# KiCad board BarnacleBoard.kicad_pcb (continued)
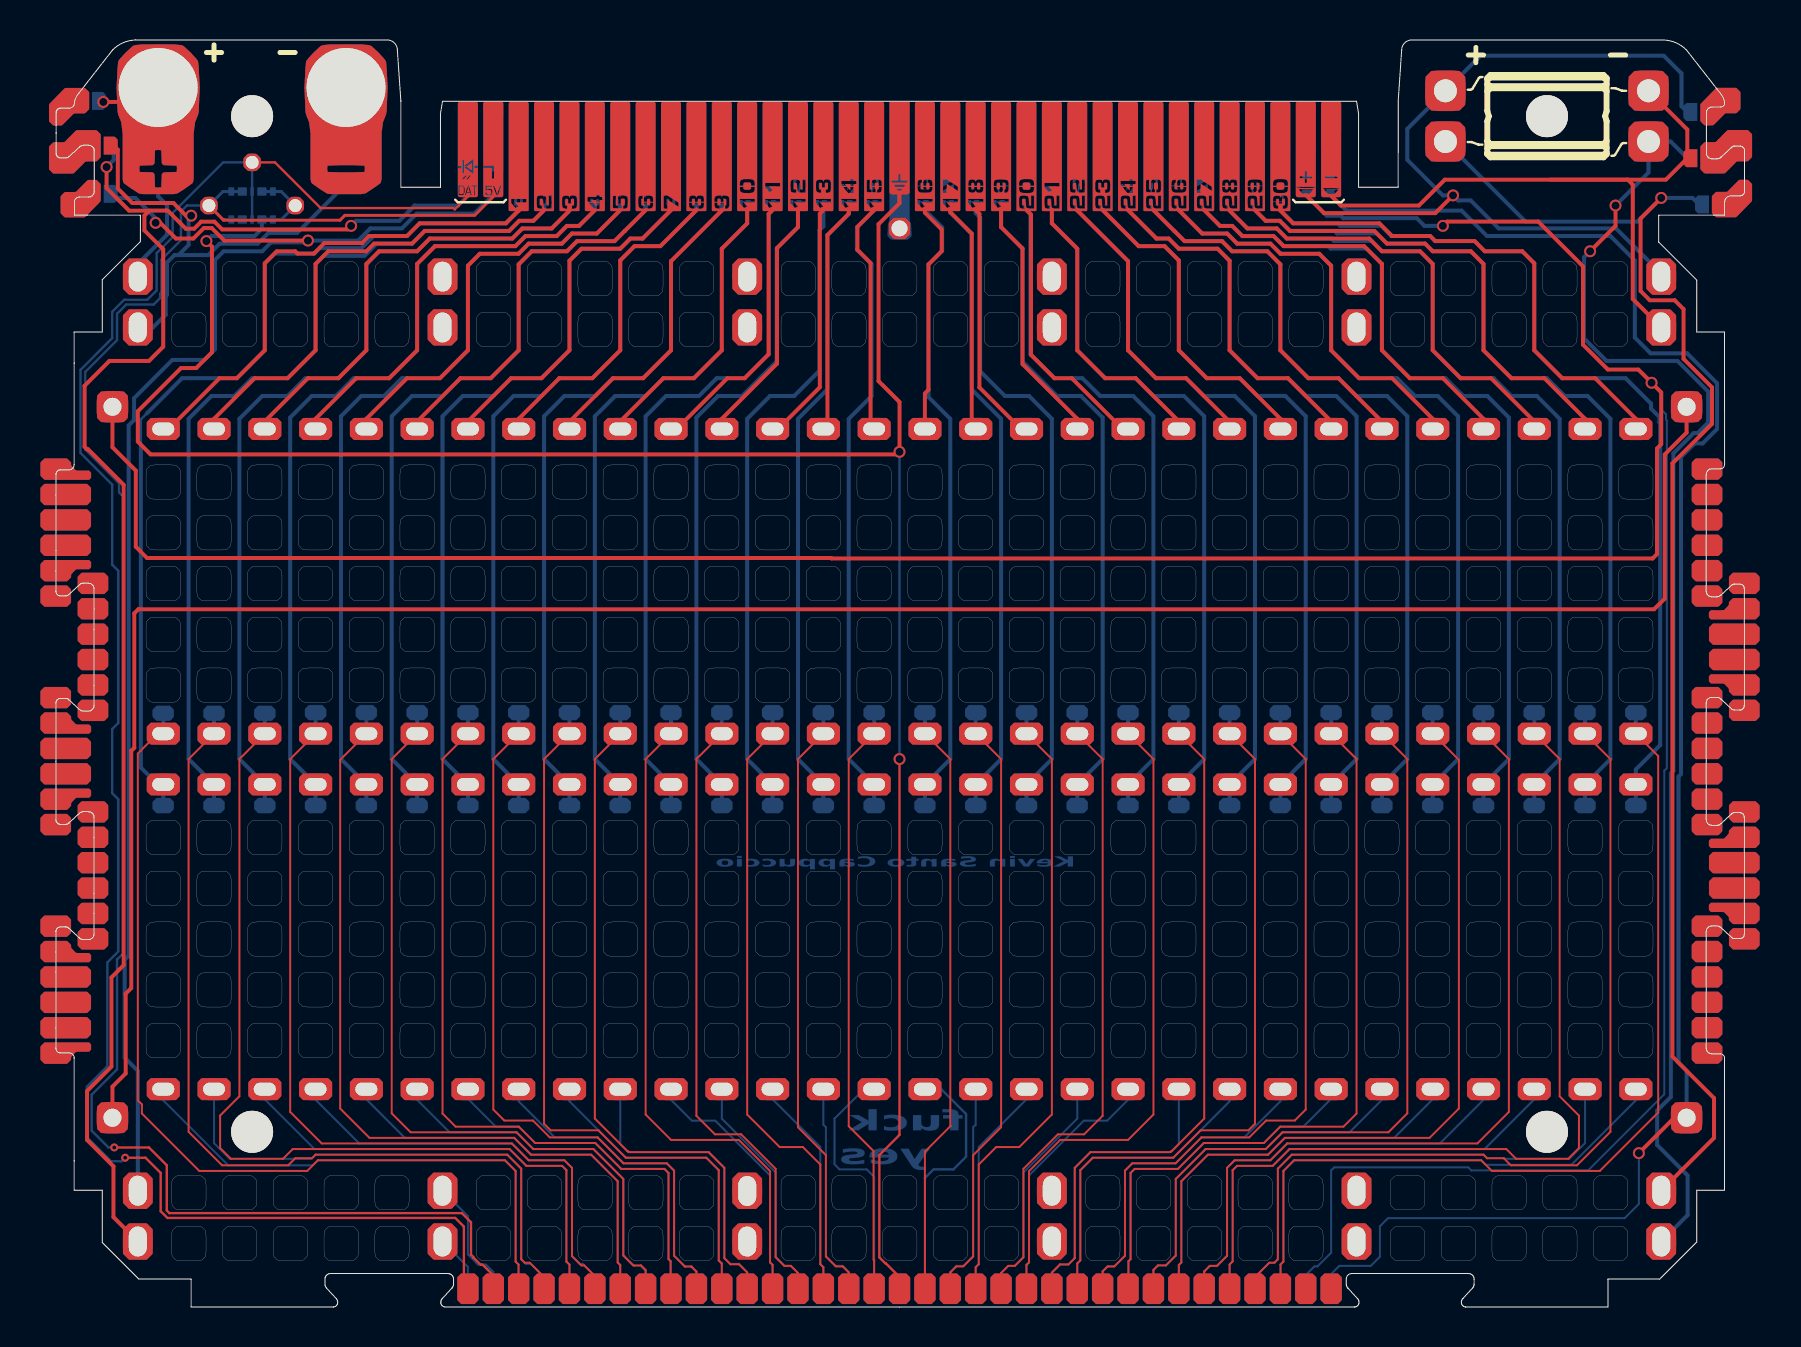
[diagram p0: board, top side]
## Footprints (pads in the part's own frame, mm; a bottom-side part is the same pattern mirrored in y, then rotated) (continued)
  custom 0.965x0.965 smd: 6(-0.897,29.451) 6(-0.897,28.181) 6(-0.897,26.911) 6(-0.897,25.641) 6(-0.897,24.371) 6(-0.897,23.101) 6(-0.897,18.021) 6(-0.897,16.751) 6(-0.897,15.481) 6(-0.897,14.211) 6(-0.897,12.941) 6(-0.897,11.671) 6(-0.897,6.591) 6(-0.897,5.321) 6(-0.897,4.051) 6(-0.897,2.781) 6(-0.897,1.511) 6(-0.897,0.241) 6(0.965,23.736) 6(0.965,22.466) 6(0.965,21.196) 6(0.965,19.926) 6(0.965,18.656) 6(0.965,17.386) 6(0.965,12.306) 6(0.965,11.036) 6(0.965,9.766) 6(0.965,8.496) 6(0.965,7.226) 6(0.965,5.956)
SolderJumper_2_Open_Small
  custom 0.7x0.9 smd: 1(-0.7,0) 2(0.7,0)

## Nets
GND: J1.68 J6.68 J14.4 J14.5 TP19.1
1: J1.1 J6.1 J11.1
2: J1.2 J6.2 J11.2
3: J1.3 J6.3 J11.3
4: J1.4 J6.4 J11.4
5: J1.5 J6.5 J11.5
6: J1.6 J6.6 J11.6
7: J1.7 J6.7 J11.7
8: J1.8 J6.8 J11.8
9: J1.9 J6.9 J11.9
10: J1.10 J6.10 J11.10
11: J1.11 J6.11 J11.11
12: J1.12 J6.12 J11.12
13: J1.13 J6.13 J11.13
14: J1.14 J6.14 J11.14
15: J1.15 J6.15 J11.15
16: J1.16 J6.16 J11.16
17: J1.17 J6.17 J11.17
18: J1.18 J6.18 J11.18
19: J1.19 J6.19 J11.19
20: J1.20 J6.20 J11.20
21: J1.21 J6.21 J11.21
22: J1.22 J6.22 J11.22
23: J1.23 J6.23 J11.23
24: J1.24 J6.24 J11.24
25: J1.25 J6.25 J11.25
26: J1.26 J6.26 J11.26
27: J1.27 J6.27 J11.27
28: J1.28 J6.28 J11.28
29: J1.29 J6.29 J11.29
30: J1.30 J6.30 J11.30
31: J1.31 J6.31 J11.31
32: J1.32 J6.32 J11.32
33: J1.33 J6.33 J11.33
34: J1.34 J6.34 J11.34
35: J1.35 J6.35 J11.35
36: J1.36 J6.36 J11.36
37: J1.37 J6.37 J11.37
38: J1.38 J6.38 J11.38
39: J1.39 J6.39 J11.39
40: J1.40 J6.40 J11.40
41: J1.41 J6.41 J11.41
42: J1.42 J6.42 J11.42
43: J1.43 J6.43 J11.43
44: J1.44 J6.44 J11.44
45: J1.45 J6.45 J11.45
46: J1.46 J6.46 J11.46
47: J1.47 J6.47 J11.47
48: J1.48 J6.48 J11.48
49: J1.49 J6.49 J11.49
50: J1.50 J6.50 J11.50
51: J1.51 J6.51 J11.51
52: J1.52 J6.52 J11.52
53: J1.53 J6.53 J11.53
54: J1.54 J6.54 J11.54
55: J1.55 J6.55 J11.55
56: J1.56 J6.56 J11.56
57: J1.57 J6.57 J11.57
58: J1.58 J6.58 J11.58
59: J1.59 J6.59 J11.59
60: J1.60 J6.60 J11.60
BOT_RAIL_NEG: J1.64 J6.64 J11.64 JP4.2 JP8.2 TP31.1
BOT_RAIL_POS: J1.63 J6.63 J11.63 JP5.2 JP9.2 TP29.1
LED_5V: J1.70 J6.70 J14.3 J14.6 TP18.1
LED_DAT: J1.69 J6.69 J14.1 J14.2 TP16.1
PASS: J1.65 J6.65 J15.1
SENSE_BOTTOM: J1.67 J4.1 J6.67
SENSE_TOP: J1.66 J2.1 J6.66
TOP_RAIL_NEG: J1.62 J6.62 J11.62 JP6.1 JP10.1 TP26.1 TP27.1
TOP_RAIL_POS: J1.61 J6.61 J11.61 JP3.2 JP7.2 TP24.1 TP25.1
Net-(J3-Pin_1): J3.1 J5.1
Net-(J12-Pin_1): J12.1 J12.4 JP7.1
Net-(J12-Pin_2): J12.2 JP10.2
Net-(J12-Pin_3): J12.3 J12.6 JP9.1
Net-(J12-Pin_5): J12.5 JP8.1
Net-(J13-Pin_1): J13.1 J13.4 JP3.1
Net-(J13-Pin_2): J13.2 JP6.2
Net-(J13-Pin_3): J13.3 J13.6 JP5.1
Net-(J13-Pin_5): J13.5 JP4.1

Pads without a net: REF**#7 6; REF**#8 6

## Via types
v1: diameter 0.6, hole 0.4, Top to Bottom, 16 vias
v2: diameter 0.4, hole 0.2, Top to Bottom, 2 vias

## Routing (per net, layer and track width the routed paths; a pad name or vN(x,y) marks a point on that pad's centre or on a via; arc(x,y) is an arc through that point)
GND: length 114.8
  Top w0.12: J6.68 42.2,1.5 41.52,2.17 41.5,2.17 41.19,2.48 41.19,7.6 42.2,8.61 v1(42.2,27.41) ; v1(42.2,42.77) 42.2,43.05
  Top w0.2: v1(7.53,53.31) 7.81,53.04 7.81,47.75 7.02,46.96 6.26,46.96 4.1,44.81 4.1,43.28 4.73,42.65 42.07,42.65 v1(42.2,42.77) 42.2,45.26 41.15,46.31 41.15,54.16 42.2,55.21 J1.68
  Bottom w0.12: v1(42.2,27.41) v1(42.2,42.77)
  Bottom w0.15: J14.5 11.27,54.39 TP19.1 11.27,55.79 J14.4
  Bottom w0.2: J14.5 J14.4 10.3,53.93 9.94,53.57 7.78,53.57 v1(7.53,53.31)
1: length 71
  Top w0.1: J6.1 23.14,0.9 23.14,2.13 22.99,2.27 22.99,6.8 22.46,7.34 13.1,7.34 12.57,6.81 11.73,6.81 8.2,6.81 8.2,6.81 7.17,6.81 4.3,9.68 4.3,10.13 4.1,10.34 4.1,27.68 5.09,28.68 5.37,28.68
  Top w0.2: 23.15,54.86 23.15,54.84 22.51,54.2 18.19,54.2 17.56,53.57 15.65,53.57 15.3,53.21 13.42,53.21 12.9,52.69 12.08,52.69 11.97,52.81 11.05,52.81 10.45,52.2 10.45,47.85 9.05,46.46 8.18,46.46 5.64,43.92 5.37,43.92
2: length 68.8
  Top w0.1: 7.91,28.68 6.64,27.41 6.64,8.76 8.31,7.09 11.62,7.09 11.97,7.44 12.81,7.44 12.99,7.62 22.57,7.62 23.27,6.92 23.27,2.39 23.45,2.22 23.7,2.22 24.42,1.5 J6.2
  Top w0.2: 7.91,43.92 7.91,44.42 9.94,46.46 11.59,46.46 12.99,47.85 12.99,52.17 13.62,52.81 15.53,52.81 15.91,53.19 17.81,53.19 18.45,53.82 22.67,53.82 23.17,54.33 23.88,54.33 J1.2
3: length 68.4
  Top w0.1: J6.3 25.69,2.13 25.53,2.28 25.53,6.84 25.32,7.06 23.53,7.06 22.69,7.9 11.85,7.9 11.36,7.41 8.75,7.41 8.21,7.95 8.21,9.58 9.18,10.54 9.18,27.41 J11.3
  Top w0.2: J11.3 10.45,44.3 12.61,46.46 14.13,46.46 15.53,47.85 15.53,52.17 16.16,52.81 18.07,52.81 18.7,53.44 22.83,53.44 23.33,53.95 24.8,53.95 25.69,54.84
4: length 62.7
  Top w0.1: J11.4 11.72,27.41 11.72,9.76 13.29,8.18 22.81,8.18 23.65,7.34 25.43,7.34 25.81,6.96 25.81,2.55 26.28,2.08 26.42,2.08 26.96,1.55 J6.4
  Top w0.2: J1.4 26.17,54.07 25.56,54.07 25.05,53.57 23.49,53.57 22.98,53.06 18.96,53.06 18.07,52.17 18.07,47.85 16.67,46.46 15.02,46.46 12.99,44.42 J11.4
5: length 60.1
  Top w0.1: J11.5 14.22,27.37 14.22,9.93 15.68,8.46 22.92,8.46 23.76,7.62 26.77,7.62 28.1,6.29 28.1,2.22 28.23,2.1 J6.5
  Top w0.2: J1.5 27.06,53.69 25.81,53.69 25.31,53.19 23.64,53.19 23.14,52.68 21.2,52.68 20.61,52.08 20.61,47.85 19.21,46.46 17.56,46.46 15.53,44.42 J11.5
6: length 57.4
  Top w0.1: 18.07,28.68 16.8,27.41 16.8,9.69 17.74,8.74 23.04,8.74 23.88,7.9 26.89,7.9 28.38,6.41 28.38,2.57 28.87,2.08 29.27,2.08 29.5,1.85 J6.6
  Top w0.2: J1.6 28.45,53.82 28.45,53.82 27.94,53.31 26.07,53.31 25.56,52.81 23.8,52.81 23.15,52.15 23.15,47.85 21.75,46.46 20.24,46.46 18.07,44.29 18.07,43.92
7: length 55.5
  Top w0.1: J11.7 19.34,27.41 19.34,9.68 19.99,9.02 23.15,9.02 23.97,8.2 26.98,8.2 28.27,6.91 30.44,6.91 30.64,6.71 30.64,2.4 30.75,2.29 30.75,0.91 J6.7
  Top w0.2: J1.7 29.34,53.44 28.73,53.44 28.23,52.93 26.29,52.93 25.69,52.33 25.69,47.85 24.29,46.46 22.77,46.46 20.61,44.3 J11.7
8: length 52.6
  Top w0.1: J11.8 21.88,27.41 21.88,9.88 22.43,9.33 23.86,9.33 24.7,8.48 27.09,8.48 28.39,7.19 30.55,7.19 30.92,6.82 30.92,2.56 31.45,2.03 31.78,2.03 32.04,1.78 J6.8
  Top w0.2: J11.8 23.15,44.42 25.18,46.46 26.83,46.46 28.23,47.85 28.23,52.35 28.94,53.06 30.23,53.06 J1.8
9: length 50.7
  Top w0.1: J6.9 33.31,2.18 33.15,2.33 33.15,6.84 32.53,7.47 28.51,7.47 27.14,8.84 24.75,8.84 24.42,9.17 24.42,27.41 25.69,28.68
  Top w0.2: 25.69,43.92 25.69,44.28 27.86,46.46 29.37,46.46 30.77,47.85 30.77,52.31 33.31,54.85 33.31,54.86
10: length 48.5
  Top w0.1: J11.10 26.96,27.41 26.96,9.42 28.58,7.8 28.6,7.8 28.65,7.75 32.65,7.75 33.43,6.96 33.43,2.44 33.75,2.13 34.17,2.13 34.58,1.73 J6.10
  Top w0.2: J11.10 28.23,44.3 30.39,46.46 31.91,46.46 33.31,47.85 33.31,52.93 34.58,54.2 J1.10
11: length 46.7
  Top w0.1: J11.11 29.5,27.41 29.5,9.63 30.77,8.36 34.16,8.36 35.72,6.8 35.72,2.23 35.85,2.11 J6.11
  Top w0.2: 35.85,54.86 35.64,54.66 35.64,47.65 34.45,46.46 33.58,46.46 31.04,43.92 J11.11
12: length 43.9
  Top w0.1: 33.31,28.68 32.04,27.41 32.04,9.56 32.96,8.64 34.28,8.64 36,6.91 36,2.49 36.43,2.06 36.76,2.06 37.12,1.7 J6.12
  Top w0.2: 33.31,43.92 33.31,44.42 36.07,47.19 36.07,52.97 37.12,54.01 J1.12
13: length 42.7
  Top w0.1: 35.85,28.68 34.58,27.41 34.58,9.63 36.2,8 37.36,8 38.23,7.13 38.23,2.14 38.39,1.99 J6.13
  Top w0.2: 35.85,43.92 36.12,43.92 38.21,46 38.21,54.69 J1.13
14: length 41
  Top w0.1: J11.14 37.12,27.41 37.12,8.99 38.51,7.59 38.51,2.53 39.01,2.03 39.35,2.03 39.66,1.73 J6.14
  Top w0.2: J11.14 38.59,44.12 38.59,53.62 39.66,54.69 J1.14
15: length 40.5
  Top w0.1: J11.15 39.66,27.41 39.66,9.04 40.9,7.8 40.9,2.36 40.93,2.34 J6.15
  Top w0.2: J1.15 40.09,54.03 40.09,52.88 40.75,52.22 40.75,44.09 J11.15
16: length 40.5
  Top w0.1: J11.16 44.74,27.41 44.74,9.04 43.47,7.77 J6.16
  Top w0.2: 43.47,43.92 43.47,45.69 43.64,45.87 43.64,52.15 44.31,52.81 44.31,53.9 43.47,54.74 43.47,54.86
17: length 41
  Top w0.1: 46.01,28.68 47.28,27.41 47.28,8.99 45.88,7.59 45.88,2.53 45.38,2.03 45.04,2.03 44.74,1.73 J6.17
  Top w0.2: J11.17 45.81,44.11 45.81,53.69 44.74,54.76 J1.17
18: length 42.7
  Top w0.1: 46.01,0.89 46.01,1.99 46.16,2.14 46.16,7.13 47.03,8 48.19,8 49.82,9.63 49.82,27.41 48.55,28.68
  Top w0.2: J11.18 48.27,43.92 46.19,45.99 46.19,54.68 J1.18
19: length 43.9
  Top w0.1: 51.09,28.68 52.36,27.41 52.36,9.56 51.43,8.64 50.12,8.64 48.39,6.91 48.39,2.49 47.96,2.06 47.63,2.06 47.28,1.7 J6.19
  Top w0.2: J1.19 47.28,54.01 48.35,52.94 48.35,47.16 51.09,44.42 J11.19
20: length 46.7
  Top w0.1: J11.20 54.9,27.41 54.9,9.63 53.63,8.36 50.24,8.36 48.67,6.8 48.67,2.23 48.55,2.11 J6.20
  Top w0.2: J1.20 48.77,54.64 48.77,47.63 49.94,46.46 50.81,46.46 53.35,43.92 53.63,43.92
21: length 48.5
  Top w0.1: 56.17,28.68 57.44,27.41 57.44,9.42 55.81,7.8 55.79,7.8 55.74,7.75 51.75,7.75 50.96,6.96 50.96,2.44 50.65,2.13 50.22,2.13 49.82,1.73 J6.21
  Top w0.2: J1.21 49.82,54.2 51.09,52.93 51.09,47.85 52.48,46.46 54.01,46.46 56.17,44.3 J11.21
22: length 50.7
  Top w0.1: 51.09,0.89 51.09,2.18 51.24,2.33 51.24,6.84 51.86,7.47 55.89,7.47 57.26,8.84 59.65,8.84 59.98,9.17 59.98,27.41 58.71,28.68
  Top w0.2: 51.09,54.86 51.09,54.85 53.63,52.31 53.63,47.85 55.02,46.46 56.53,46.46 58.71,44.28 J11.22
23: length 52.6
  Top w0.1: J11.23 62.52,27.41 62.52,9.88 61.97,9.33 60.53,9.33 59.69,8.48 57.3,8.48 56,7.19 53.84,7.19 53.47,6.82 53.47,2.56 52.94,2.03 52.61,2.03 52.36,1.78 J6.23
  Top w0.2: J1.23 54.16,53.06 55.45,53.06 56.17,52.35 56.17,47.85 57.56,46.46 59.22,46.46 61.25,44.42 61.25,43.92
24: length 55.5
  Top w0.1: 53.63,0.89 53.65,0.91 53.65,2.29 53.75,2.4 53.75,6.71 53.96,6.91 56.12,6.91 57.42,8.2 60.42,8.2 61.24,9.02 64.4,9.02 65.06,9.68 65.06,27.41 J11.24
  Top w0.2: 63.79,43.92 63.79,44.3 61.63,46.46 60.1,46.46 58.71,47.85 58.71,52.33 58.1,52.93 56.17,52.93 55.66,53.44 55.05,53.44 53.63,54.86
25: length 57.4
  Top w0.1: J6.25 54.9,1.85 55.13,2.08 55.52,2.08 56.01,2.57 56.01,6.41 57.51,7.9 60.52,7.9 61.36,8.74 66.65,8.74 67.6,9.69 67.6,27.41 66.33,28.68
  Top w0.2: J1.25 55.94,53.82 55.94,53.82 56.45,53.31 58.33,53.31 58.83,52.81 60.59,52.81 61.25,52.15 61.25,47.85 62.64,46.46 64.16,46.46 66.33,44.29 J11.25
26: length 60.1
  Top w0.1: 56.17,0.89 56.17,2.1 56.29,2.22 56.29,6.29 57.62,7.62 60.63,7.62 61.47,8.46 68.71,8.46 70.18,9.93 70.18,27.37 J11.26
  Top w0.2: J1.26 57.34,53.69 58.58,53.69 59.09,53.19 60.75,53.19 61.26,52.68 63.19,52.68 63.79,52.08 63.79,47.85 65.18,46.46 66.84,46.46 68.87,44.42 68.87,43.92
27: length 62.8
  Top w0.1: J6.27 57.44,1.78 57.72,2.06 58.08,2.06 58.58,2.56 58.58,6.96 58.96,7.34 60.75,7.34 61.59,8.18 71.1,8.18 72.68,9.76 72.68,27.41 J11.27
  Top w0.2: 71.41,43.92 71.41,44.42 69.38,46.46 67.72,46.46 66.33,47.85 66.33,52.17 65.44,53.06 61.41,53.06 60.91,53.57 59.34,53.57 58.84,54.07 58.23,54.07 J1.27
28: length 68.4
  Top w0.1: 73.95,28.68 75.22,27.41 75.22,10.54 76.18,9.58 76.18,7.95 75.64,7.41 73.04,7.41 72.55,7.9 61.7,7.9 60.86,7.06 59.08,7.06 58.86,6.84 58.86,2.28 58.71,2.13 J6.28
  Top w0.2: 58.71,54.84 59.6,53.95 61.06,53.95 61.57,53.44 65.69,53.44 66.33,52.81 68.23,52.81 68.87,52.17 68.87,47.85 70.26,46.46 71.79,46.46 73.95,44.3 J11.28
29: length 68.8
  Top w0.1: 76.49,28.68 77.76,27.41 77.76,8.76 76.08,7.09 72.78,7.09 72.42,7.44 71.59,7.44 71.41,7.62 61.82,7.62 61.12,6.92 61.12,2.39 60.95,2.22 60.69,2.22 59.98,1.5 J6.29
  Top w0.2: J1.29 60.51,54.33 61.22,54.33 61.73,53.82 65.95,53.82 66.58,53.19 68.49,53.19 68.87,52.81 70.77,52.81 71.41,52.17 71.41,47.85 72.8,46.46 74.46,46.46 76.49,44.42 J11.29
30: length 71
  Top w0.1: J6.30 61.26,0.9 61.26,2.13 61.4,2.27 61.4,6.8 61.94,7.34 71.29,7.34 71.82,6.81 72.66,6.81 76.2,6.81 76.2,6.81 77.22,6.81 80.14,9.73 80.14,27.56 79.03,28.68
  Top w0.2: 61.25,54.86 61.25,54.84 61.88,54.2 66.2,54.2 66.84,53.57 68.74,53.57 68.99,53.31 70.96,53.31 71.47,52.81 73.34,52.81 73.95,52.2 73.95,47.85 75.34,46.46 77,46.46 79.03,44.42 J11.30
31: length 71.5
  Bottom w0.1: 5.37,10.9 5.37,10.34 8.62,7.09 12.85,7.09 13.1,7.34 22.46,7.34 22.99,6.8 22.99,2.27 23.14,2.13 23.14,0.9 J6.31
  Bottom w0.12: 4.25,44.4 4.54,44.69 ; 4.25,44.4 4.25,43.15 4.25,44.4
  Bottom w0.2: 4.25,43.15 4.25,26.98 5.09,26.14 ; J1.31 22.49,54.2 18.19,54.2 17.56,53.57 15.89,53.57 15.28,52.96 13.2,52.96 12.93,52.69 10.93,52.69 10.45,52.2 10.45,47.85 9.05,46.46 6.31,46.46 4.54,44.69
32: length 68.9
  Bottom w0.1: 7.91,10.9 7.91,8.19 8.69,7.41 12.78,7.41 12.99,7.62 22.57,7.62 23.27,6.92 23.27,2.39 23.5,2.16 23.76,2.16 24.42,1.5 J6.32
  Bottom w0.2: 7.91,26.14 6.64,27.41 6.64,44.42 7.78,45.57 8.92,45.57 9.81,46.46 11.59,46.46 12.99,47.85 12.99,52.17 13.4,52.58 15.44,52.58 16.04,53.19 17.81,53.19 18.45,53.82 22.67,53.82 23.17,54.33 23.88,54.33 J1.32
33: length 65.2
  Bottom w0.1: J11.33 10.45,10.39 12.94,7.9 22.69,7.9 23.53,7.06 25.32,7.06 25.53,6.84 25.53,2.26 25.69,2.11 J6.33
  Bottom w0.2: J11.33 9.18,27.41 9.18,44.42 10.32,45.57 11.59,45.57 12.48,46.46 14.13,46.46 15.53,47.85 15.53,52.13 16.2,52.81 18.07,52.81 18.7,53.44 22.83,53.44 23.33,53.95 24.8,53.95 25.69,54.84
34: length 62.3
  Bottom w0.1: J6.34 26.96,1.55 26.35,2.16 26.2,2.16 25.81,2.54 25.81,6.96 25.43,7.34 23.65,7.34 22.81,8.18 15.17,8.18 12.99,10.36 J11.34
  Bottom w0.2: J11.34 11.72,27.41 11.72,44.49 12.8,45.57 14,45.57 14.89,46.46 16.67,46.46 18.07,47.85 18.07,52.17 18.96,53.06 22.98,53.06 23.49,53.57 25.05,53.57 25.56,54.07 26.17,54.07 J1.34
35: length 59.9
  Bottom w0.1: J6.35 28.23,2.11 28.1,2.24 28.1,6.29 26.77,7.62 23.76,7.62 22.92,8.46 17.46,8.46 15.53,10.39 J11.35
  Bottom w0.2: J11.35 14.26,27.41 14.26,44.55 15.27,45.57 16.42,45.57 17.31,46.46 19.21,46.46 20.61,47.85 20.61,52.08 21.2,52.68 23.14,52.68 23.64,53.19 25.31,53.19 25.81,53.69 27.06,53.69 J1.35
36: length 57.1
  Bottom w0.1: 18.07,10.9 18.07,10.36 19.69,8.74 23.04,8.74 23.88,7.9 26.89,7.9 28.38,6.41 28.38,2.61 28.93,2.06 29.24,2.06 29.5,1.8 J6.36
  Bottom w0.2: 18.07,26.14 16.8,27.41 16.8,44.55 17.81,45.57 19.35,45.57 20.24,46.46 21.75,46.46 23.15,47.85 23.15,52.15 23.8,52.81 25.56,52.81 26.07,53.31 27.94,53.31 28.45,53.82 28.45,53.82 J1.36
37: length 55.2
  Bottom w0.1: J6.37 30.75,0.91 30.75,2.28 30.64,2.39 30.64,6.71 30.44,6.91 28.27,6.91 26.98,8.2 23.97,8.2 23.15,9.02 22,9.02 20.61,10.41 J11.37
  Bottom w0.2: J1.37 29.34,53.44 28.73,53.44 28.23,52.93 26.29,52.93 25.69,52.33 25.69,47.85 24.29,46.46 22.77,46.46 21.88,45.57 20.35,45.57 19.34,44.55 19.34,27.41 J11.37
38: length 52.4
  Bottom w0.1: J6.38 32.04,1.75 31.78,2.01 31.47,2.01 30.92,2.56 30.92,6.82 30.55,7.19 28.39,7.19 27.09,8.48 24.95,8.48 23.15,10.29 J11.38
  Bottom w0.2: J11.38 21.88,27.41 21.88,44.55 22.89,45.57 24.29,45.57 25.18,46.46 26.83,46.46 28.23,47.85 28.23,52.35 28.94,53.06 30.23,53.06 J1.38
39: length 50.2
  Bottom w0.1: 25.69,10.9 25.69,10.29 28.51,7.47 32.53,7.47 33.15,6.84 33.15,2.33 33.31,2.18 J6.39
  Bottom w0.2: 25.69,26.14 24.42,27.41 24.42,44.55 25.43,45.57 26.97,45.57 27.86,46.46 29.37,46.46 30.77,47.85 30.77,52.31 33.31,54.85 33.31,54.86
40: length 49.4
  Bottom w0.1: J6.40 34.58,1.75 34.17,2.16 33.72,2.16 33.43,2.44 33.43,6.96 32.65,7.75 28.63,7.75 28.23,8.15 J11.40
  Bottom w0.2: J1.40 34.58,54.2 33.31,52.93 33.31,47.85 31.91,46.46 30.39,46.46 29.5,45.57 27.97,45.57 26.96,44.55 26.96,27.41 J11.40
41: length 46.5
  Bottom w0.1: J6.41 35.85,2.11 35.72,2.24 35.72,6.58 32.98,9.32 31.81,9.32 30.77,10.36 J11.41
  Bottom w0.2: J11.41 29.5,27.41 29.5,44.55 30.51,45.57 32.16,45.57 33.05,46.46 34.45,46.46 35.67,47.68 35.67,54.69 35.85,54.86
42: length 43.8
  Bottom w0.1: J6.42 37.12,1.7 36.76,2.06 36.46,2.06 36,2.51 36,6.73 33.31,9.42 33.31,10.9
  Bottom w0.2: 33.31,26.14 32.04,27.41 32.04,44.49 33.12,45.57 34.32,45.57 36.05,47.29 36.05,52.95 37.12,54.01 J1.42
43: length 42.6
  Bottom w0.1: J6.43 38.39,1.99 38.23,2.14 38.23,8 35.85,10.39 35.85,10.9
  Bottom w0.2: 35.85,26.14 34.58,27.41 34.58,44.42 35.72,45.57 36.93,45.57 38.19,46.83 38.19,53.85 38.39,54.05 J1.43
44: length 41
  Bottom w0.1: J6.44 39.66,1.75 39.35,2.06 39,2.06 38.51,2.54 38.51,8.99 38.39,9.12 J11.44
  Bottom w0.2: J11.44 37.12,27.41 37.12,44.42 38.59,45.9 38.59,53.59 39.66,54.66 J1.44
45: length 43.1
  Bottom w0.1: J11.45 40.42,10.9 38.95,9.42 38.95,7.14 39.2,6.88 40.55,6.88 40.93,6.51 J6.45
  Bottom w0.2: J1.45 40.06,54 40.06,52.88 40.8,52.15 40.8,45.57 39.66,44.42 39.66,27.41 J11.45
46: length 43.1
  Bottom w0.1: J6.46 43.47,6.45
  Bottom w0.12: 43.47,6.45 43.9,6.88 44.89,6.88 45.52,7.52 45.52,9.65 44.28,10.9 43.47,10.9
  Bottom w0.2: 43.47,54.86 44.33,54 44.33,52.83 43.64,52.15 43.64,45.52 44.74,44.42 44.74,27.41 43.47,26.14
47: length 41
  Bottom w0.1: 46.01,10.9 46.01,9.12 45.88,8.99 45.88,2.54 45.4,2.06 45.04,2.06 44.74,1.75 J6.47
  Bottom w0.2: J1.47 44.74,54.74 45.81,53.66 45.81,45.89 47.28,44.42 47.28,27.41 J11.47
48: length 42.6
  Bottom w0.1: 48.55,10.9 48.55,10.39 46.16,8 46.16,2.14 46.01,1.99 J6.48
  Bottom w0.2: J11.48 49.82,27.41 49.82,44.42 48.67,45.57 47.47,45.57 46.23,46.81 46.23,54.49 46.01,54.71 J1.48
49: length 43.8
  Bottom w0.1: 51.09,10.9 51.09,9.42 48.39,6.73 48.39,2.49 47.96,2.06 47.64,2.06 47.28,1.7 J6.49
  Bottom w0.2: J1.49 47.28,54.01 48.35,52.94 48.35,47.29 50.07,45.57 51.28,45.57 52.36,44.49 52.36,27.41 J11.49
50: length 46.5
  Bottom w0.1: J6.50 48.55,0.89 48.55,2.11 48.67,2.24 48.67,6.58 51.42,9.32 52.59,9.32 53.63,10.36 J11.50
  Bottom w0.2: 53.63,26.14 54.9,27.41 54.9,44.55 53.88,45.57 52.23,45.57 51.34,46.46 49.94,46.46 48.74,47.66 48.74,54.67 J1.50
51: length 49.4
  Bottom w0.1: 56.17,10.9 56.17,8.15 55.76,7.75 51.75,7.75 50.96,6.96 50.96,2.44 50.62,2.11 50.22,2.11 49.82,1.7 J6.51
  Bottom w0.2: J11.51 57.44,27.41 57.44,44.55 56.42,45.57 54.9,45.57 54.01,46.46 52.48,46.46 51.09,47.85 51.09,52.93 49.82,54.2 J1.51
52: length 50.2
  Bottom w0.1: 58.71,10.9 58.71,10.29 55.89,7.47 51.86,7.47 51.24,6.84 51.24,2.33 51.09,2.18 J6.52
  Bottom w0.2: J1.52 51.09,54.85 53.63,52.31 53.63,47.85 55.02,46.46 56.53,46.46 57.42,45.57 58.96,45.57 59.98,44.55 59.98,27.41 J11.52
53: length 52.4
  Bottom w0.1: J11.53 61.25,10.29 59.44,8.48 57.3,8.48 56,7.19 53.84,7.19 53.47,6.82 53.47,2.56 52.94,2.03 52.59,2.03 52.36,1.79 J6.53
  Bottom w0.2: 61.25,26.14 62.52,27.41 62.52,44.55 61.5,45.57 60.1,45.57 59.22,46.46 57.56,46.46 56.17,47.85 56.17,52.35 55.45,53.06 54.16,53.06 J1.53
54: length 55.2
  Bottom w0.1: J6.54 53.65,0.91 53.65,2.28 53.75,2.39 53.75,6.71 53.96,6.91 56.12,6.91 57.42,8.2 60.42,8.2 61.24,9.02 62.39,9.02 63.79,10.41 J11.54
  Bottom w0.2: 53.63,54.86 55.05,53.44 55.66,53.44 56.17,52.93 58.1,52.93 58.71,52.33 58.71,47.85 60.1,46.46 61.63,46.46 62.52,45.57 64.04,45.57 65.06,44.55 65.06,27.41 63.79,26.14
55: length 57.1
  Bottom w0.1: 66.33,10.9 66.33,10.36 64.7,8.74 61.36,8.74 60.52,7.9 57.51,7.9 56.01,6.41 56.01,2.56 55.53,2.08 55.13,2.08 54.9,1.85 J6.55
  Bottom w0.2: J1.55 55.94,53.82 55.94,53.82 56.45,53.31 58.33,53.31 58.83,52.81 60.59,52.81 61.25,52.15 61.25,47.85 62.64,46.46 64.16,46.46 65.05,45.57 66.58,45.57 67.6,44.55 67.6,27.41 J11.55
56: length 59.9
  Bottom w0.1: J6.56 56.17,2.11 56.29,2.24 56.29,6.29 57.62,7.62 60.63,7.62 61.47,8.46 66.94,8.46 68.87,10.39 J11.56
  Bottom w0.2: 68.87,26.14 70.14,27.41 70.14,44.55 69.12,45.57 67.98,45.57 67.09,46.46 65.18,46.46 63.79,47.85 63.79,52.08 63.19,52.68 61.26,52.68 60.75,53.19 59.09,53.19 58.58,53.69 57.34,53.69 J1.56
57: length 62.5
  Bottom w0.1: J11.57 71.41,10.36 69.22,8.18 61.59,8.18 60.75,7.34 58.96,7.34 58.58,6.96 58.58,2.57 58.07,2.06 57.72,2.06 57.44,1.78 J6.57
  Bottom w0.2: 71.41,26.14 72.68,27.41 72.68,44.49 71.6,45.57 70.39,45.57 69.5,46.46 67.72,46.46 66.33,47.85 66.33,52.17 65.56,52.94 63.76,52.94 63.64,53.06 61.41,53.06 60.91,53.57 59.34,53.57 58.84,54.07 58.23,54.07 J1.57
58: length 65.2
  Bottom w0.1: J6.58 58.71,0.89 58.71,2.13 58.86,2.29 58.86,6.84 59.08,7.06 60.86,7.06 61.7,7.9 71.46,7.9 73.95,10.39 73.95,10.9
  Bottom w0.2: J11.58 75.22,27.41 75.22,44.42 74.07,45.57 72.8,45.57 71.92,46.46 70.26,46.46 68.87,47.85 68.87,52.17 68.23,52.81 66.33,52.81 65.82,53.32 63.92,53.32 63.8,53.44 61.57,53.44 61.06,53.95 59.6,53.95 58.71,54.84
59: length 68.9
  Bottom w0.1: 76.49,10.9 76.49,8.19 75.71,7.41 72.45,7.41 72.42,7.44 71.59,7.44 71.41,7.62 61.82,7.62 61.12,6.92 61.12,2.39 60.94,2.21 60.69,2.21 59.98,1.5 J6.59
  Bottom w0.2: J11.59 77.76,27.41 77.76,44.42 76.61,45.57 75.47,45.57 74.58,46.46 72.8,46.46 71.41,47.85 71.41,52.17 70.77,52.81 68.87,52.81 68.49,53.19 66.58,53.19 66.07,53.7 64.08,53.7 63.95,53.82 61.73,53.82 61.22,54.33 60.51,54.33 J1.59
60: length 70.7
  Bottom w0.1: J6.60 61.26,0.9 61.26,2.13 61.4,2.27 61.4,6.8 61.94,7.34 71.29,7.34 71.52,7.11 75.8,7.11 79.03,10.34 79.03,10.9
  Bottom w0.2: J11.60 79.03,26.89 80.25,28.1 80.25,42.94 80.25,42.94 80.25,44.21 80.21,44.25 80.21,44.51 79.79,44.93 79.79,45.19 78.52,46.46 75.34,46.46 73.95,47.85 73.95,52.2 73.34,52.81 71.47,52.81 70.96,53.31 68.99,53.31 68.74,53.57 66.79,53.57 66.28,54.08 64.24,54.08 64.11,54.2 61.91,54.2 61.25,54.86
BOT_RAIL_NEG: length 148.1
  Top w0.2: v1(76.74,52.81) 78.01,54.08 v1(78.01,55.09) ; 4.61,54.84 3.66,54.84 2.53,55.96 v1(2.53,57.02) ; v1(14.77,54.08) 14.59,53.9 8.32,53.9 7.93,54.29 7.27,54.29 6.91,53.93 6.49,53.93 5.59,54.84 4.68,54.84 4.43,54.59 4.43,53.85 5.37,52.91 5.37,48.03 4.66,47.32 2.67,47.32 1.43,46.08 1.43,43.03 1.56,42.9 1.61,42.9 3.39,41.12 3.39,17.1 2.78,16.48 2.78,12.02 1.56,10.8 1.56,8.36 2.88,7.04 2.88,4.5 J11.64
  Bottom w0.1: J6.64 20.61,2.01 J11.64
  Bottom w0.2: v1(76.74,52.81) 76.44,52.5 76.44,48.45 77.56,47.32 81.11,47.32 82.65,45.78 82.65,44.24 82.13,43.71 81.92,43.71 80.91,42.7 80.91,26.81 80.78,26.69 80.78,10.51 80.09,9.82 80.09,8.1 81.62,6.58 81.62,4.6 J11.64 ; v1(78.01,55.09) 79.66,56.74 TP31.1 80.77,58.29 JP8.2 ; v1(2.53,57.02) 2.89,57.38 JP4.2 ; v1(14.77,54.08) 15.02,54.33 17.18,54.33 17.94,55.09 20.12,55.09 J1.64
BOT_RAIL_POS: length 152.5
  Top w0.2: J11.63 82.94,8.46 82.94,10.45 80.86,12.53 80.86,42.19 82.84,44.17 82.84,46 81.41,47.42 81.41,49.91 80.97,50.36 79.73,50.36 79.27,50.82 79.27,54.44 v1(80.3,55.47) ; v1(4.99,54.23) 5.21,54.23 6,53.44 6.87,53.44 7.4,53.96 7.8,53.96 8.42,53.34 v1(12.61,53.34) ; 4.1,5.97 J11.63
  Bottom w0.1: J11.63 20.61,4.55 20.61,2.63 21.12,2.12 21.51,2.12 21.88,1.75 J6.63
  Bottom w0.2: v1(4.99,54.23) 4.99,54.46 3.97,55.47 3.1,55.47 JP5.2 ; J11.63 4.1,11.81 3.44,12.47 3.44,17.36 3.64,17.57 3.64,44.09 3.91,44.36 3.91,45.45 5.82,47.37 7.42,47.37 7.96,47.9 7.96,52.37 8.39,52.81 10.32,52.81 10.76,53.25 12.51,53.25 v1(12.61,53.34) 15.12,53.34 15.73,53.95 17.31,53.95 18.04,54.69 20.93,54.69 J1.63 ; TP29.1 73.51,54.29 79.11,54.29 v1(80.3,55.47) 81.86,55.47 82.19,55.15
LED_5V: length 96.8
  Top w0.12: J6.70 21.88,1.58 21.34,2.12 21.24,2.12 20.87,2.48 20.87,2.51 20.76,2.62 20.76,4.24 20.31,4.7 5.68,4.7 5.54,4.83 5.54,7.09 4.65,7.98 v2(2.92,7.98)
  Top w0.15: TP18.1 8.39,54.36 14.21,54.36 14.45,54.6 20.94,54.6 J1.70
  Bottom w0.12: TP18.1 7.65,55.1 6.55,55.1 6.25,54.8 6.25,53.36 5.28,52.39 5.28,50.75 5.21,50.68 5.21,50.47 4.88,50.14 3.51,50.14 3.06,49.68 3.06,48.36 1.47,46.77 1.47,42.89 3.16,41.2 3.16,40.74 3.36,40.54 3.36,17.68 3.06,17.38 3.06,11.89 1.79,10.62 1.79,8.82 2.62,7.98 v2(2.92,7.98)
  Bottom w0.15: J14.3 8.35,55.79 TP18.1 8.35,54.39 J14.3
LED_DAT: length 95.6
  Top w0.12: J6.69 20.4,1.09 20.4,4.03 19.97,4.46 5.58,4.46 5.24,4.79 5.24,6.71 4.48,7.47 v2(3.46,7.47) ; 20.63,55.58 19.95,54.9 19.88,54.97 13.24,54.97 10.96,57.25 TP16.1
  Bottom w0.12: v2(3.46,7.47) 3.29,7.29 2.75,7.29 1.55,8.49 1.55,11.01 2.57,12.04 2.57,17.24 3.12,17.78 3.12,25.39 2.82,25.7 2.82,28.91 3.12,29.21 3.12,36.82 2.82,37.13 2.82,41.13 1.23,42.72 1.23,46.87 2.82,48.46 2.82,49.78 3.41,50.38 4.57,50.38 5.04,50.85 5.04,52.72 5.84,53.52 5.84,54.72 8.37,57.25 TP16.1 J14.1 J14.2
SENSE_BOTTOM: length 87.5
  Top w0.2: v1(79.18,7.7) 80.95,9.47 J4.1
  Bottom w0.1: v1(79.18,7.7) 79.18,5.16 78.47,4.45 66.63,4.45 66.23,4.04 66.23,2.51 65.77,2.06 64.19,2.06 63.79,1.65 J6.67
  Bottom w0.2: J4.1 81.57,11.82 81.16,12.22 81.16,26.53 81.29,26.66 81.29,42.51 81.97,43.19 82.37,43.19 83.09,43.92 83.09,46.2 81.59,47.7 79.76,47.7 78.98,48.49 78.98,52.35 77.76,53.57 71.58,53.57 70.31,54.84 64.55,54.84 J1.67
SENSE_TOP: length 177.4
  Top w0.1: 79.92,46.13 v1(79.81,46.23)
  Top w0.2: J2.1 2.83,43 4,41.83 4,38.02 4.55,37.47 38.77,37.47 38.79,37.44 79.87,37.44 80.09,37.66 80.09,42.94 80.3,43.15 80.3,45.75 79.15,46.89 77.63,46.89 76.39,48.13 76.39,52.05 74.15,54.29 69.59,54.29 v1(69.38,54.08)
  Bottom w0.1: v1(79.81,46.23) 79.81,46.18 80.3,45.69 80.3,44.89 80.54,44.65 80.54,44.38 80.58,44.34 80.58,26.95 80.45,26.82 80.45,10.64 76.64,6.83 70.8,6.83 70.65,6.99 63.94,6.99 63.79,6.83 63.79,2.72 63.1,2.03 62.95,2.03 62.52,1.6 J6.66
  Bottom w0.2: J1.66 63.56,54.58 64.27,54.58 64.39,54.46 68.07,54.46 68.45,54.08 v1(69.38,54.08)
TOP_RAIL_NEG: length 58.8
  Top w0.2: 63.81,55.56 64.27,55.09 68.18,55.09 69.47,56.39 78.63,56.39 78.87,56.14 78.87,50.42 J11.62 ; 6.64,54.58 v1(6.76,54.58) 6.51,54.58 5.88,55.22 3.82,55.22 3.1,55.94 3.1,57.88 JP6.1 ; 74.75,56.39 80.53,56.39 JP10.1 81.6,58.89 TP27.1
  Bottom w0.2: J11.62 4.86,49 5.49,49.63 5.49,50.57 5.56,50.63 5.56,52.25 5.93,52.61 6.13,52.61 ; TP26.1 12.06,53.72 10.63,53.72 10.09,53.19 8.23,53.19 8.22,53.17 8.18,53.17 7.62,52.61 6.13,52.61 ; 6.13,52.61 6.64,53.12 6.64,54.46 v1(6.76,54.58)
TOP_RAIL_POS: length 50.7
  Top w0.2: v1(69.88,55.6) 69,54.71 63.43,54.71 J1.61 ; v1(2.37,60.27) 4.39,60.27 TP24.1
  Bottom w0.1: JP3.2 2.36,60.27 v1(2.37,60.27)
  Bottom w0.2: J11.61 4.1,52.17 5.56,53.63 5.56,55.1 5.11,55.55 TP24.1 ; JP7.2 81.31,60.06 81.31,61.7 80.42,62.59 71.25,62.59 TP25.1 67.6,58.93 67.6,57.38 69.38,55.6 v1(69.88,55.6) 70.14,55.35 70.77,55.35 72.17,53.95 78.03,53.95 80.3,51.69 J11.61
Net-(J3-Pin_1): length 112.6
  Top w0.2: J5.1 2.83,11.02 3.49,11.68 3.49,15.67 3.77,15.95 3.77,27.82 3.92,27.97 3.92,34.7 4.12,34.9 79.94,34.9 80.48,35.43 80.48,42.64 81.57,43.73 J3.1

## Text on the board
Bottom: Kevin Santo Cappuccio | fuck / yes
B.Silkscreen: + | - | Barnacle Board | Stay The Hell Out Of My Circuit | Jumperlux
F.Silkscreen: + | -
